# KiCad board USB_panel.kicad_pcb (continued)
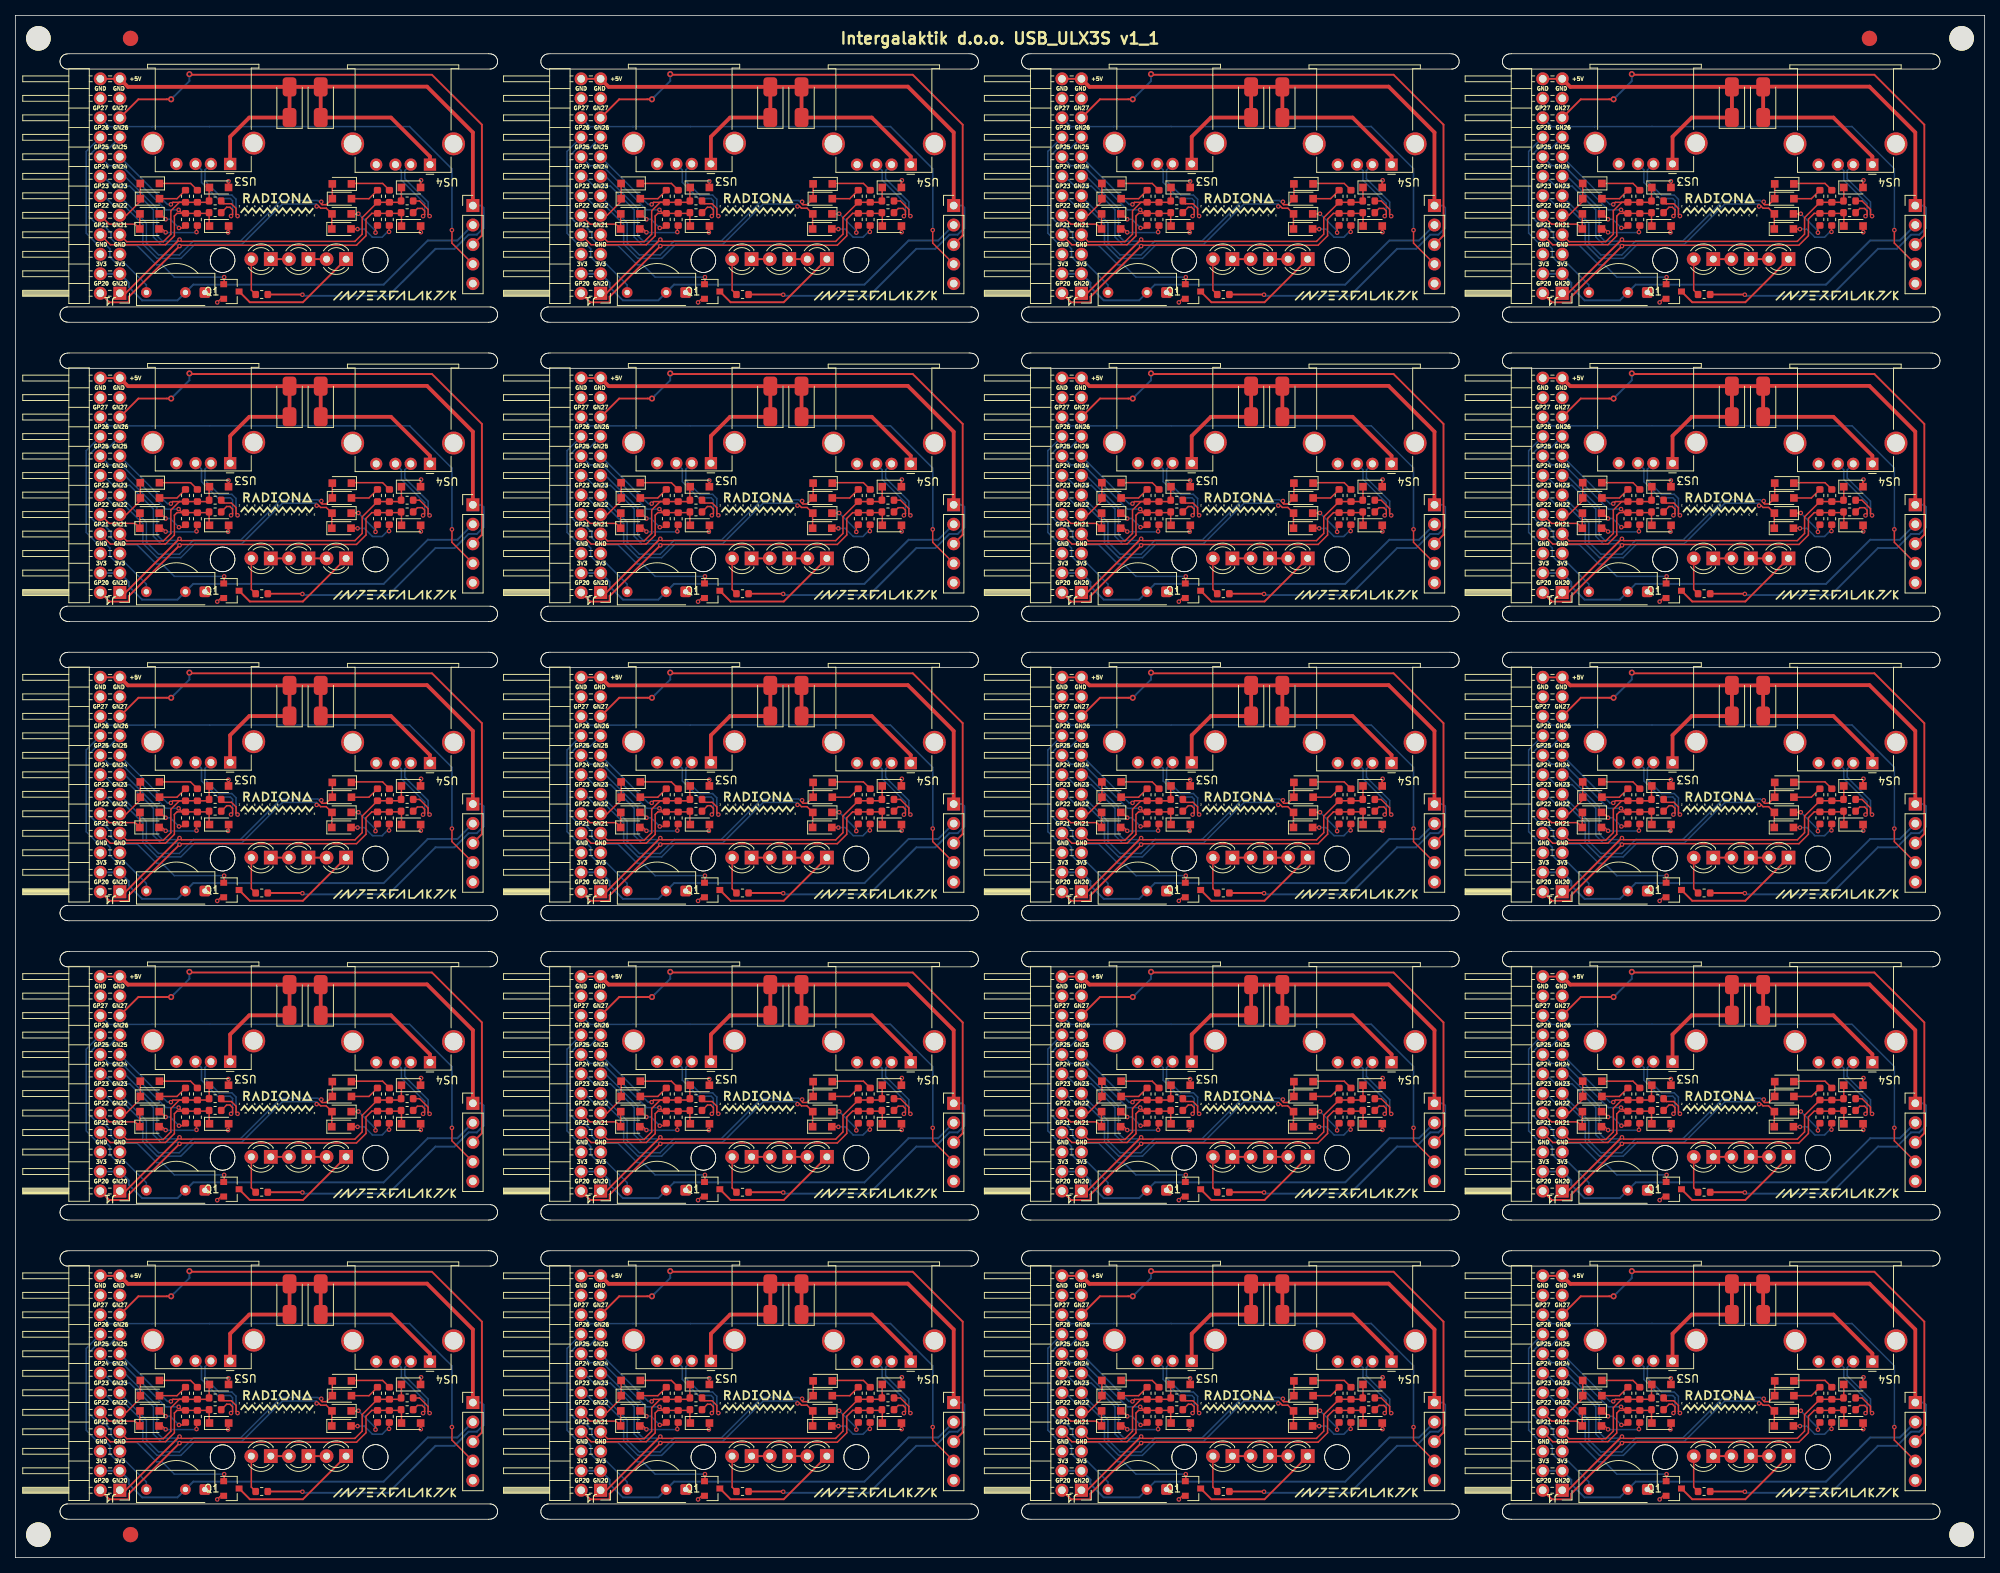
[diagram p0: board, top side]
## Footprints (pads in the part's own frame, mm; a bottom-side part is the same pattern mirrored in y, then rotated) (continued)
USB_A_Stewart_SS-52100-001_Horizontal
  rect 1.6x1.6 hole 0.92: 1(0,0)
  round 1.6 hole 0.92: 2(2.5,0) 3(4.5,0) 4(7,0)
  round 3 hole 2.3: 5(-3.07,-2.71) 5(10.07,-2.71)
Vishay_CAST-3Pin
  rrect 1.4x1.4 hole 0.7: 1(0,0)
  round 1.4 hole 0.7: 2(2.54,0) 3(7.62,0)

## Nets
Board_0-+3V3: J1#8.3 J1#8.4 J2#17.2 U1#6.2
Board_0-+5V: D6#11.1 D6#11.2 D13#20.1 D13#20.2 J1#8.23 J1#8.24 J2#17.1 R13#15.1 US3#14.1 US4#4.1
Board_0-/FPD1+: R6#4.2 US3#14.3
Board_0-/FPD1-: R5#2.2 US3#14.2
Board_0-/FPD2+: R12#17.2 US4#4.3
Board_0-/FPD2-: R11#18.2 US4#4.2
Board_0-GN26: J1#8.17 Q1#2.1
Board_0-GN27: J1#8.19 J2#17.3
Board_0-GND: D5#8.2 D7#19.2 D12#4.2 D14#14.2 J1#8.5 J1#8.6 J1#8.21 J1#8.22 J2#17.5 Q1#2.2 U1#6.1 US3#14.4 US3#14.5 US4#4.4 US4#4.5
Board_0-GP26: J1#8.18 U1#6.3
Board_0-GP27: J1#8.20 J2#17.4
Board_0-Net-(D1-K): D1#15.1 R1#8.1
Board_0-Net-(D2-A): D2#20.2 R2#4.1
Board_0-Net-(D3-K): D3#6.1 R3#3.2
Board_0-Net-(D4-A): D4#15.2 R4#11.1
Board_0-Net-(D8-K): D8#5.1 R7#14.1
Board_0-Net-(D9-A): D9#2.2 R8#5.1
Board_0-Net-(D10-K): D10#17.1 R9#8.2
Board_0-Net-(D11-A): D11#18.2 R10#5.1
Board_0-Net-(D15-A): D15#11.2 R13#15.2
Board_0-Net-(D15-K): D15#11.1 D16#5.2
Board_0-Net-(D16-K): D16#5.1 D17#9.2
Board_0-Net-(D17-K): D17#9.1 Q1#2.3
Board_0-USB1_FPGA_D+: D5#8.1 J1#8.8 J1#8.16 R1#8.2 R2#4.2 R6#4.1
Board_0-USB1_FPGA_D-: D7#19.1 J1#8.7 J1#8.15 R3#3.1 R4#11.2 R5#2.1
Board_0-USB1_FPGA_PULL_D+: D1#15.2 D2#20.1 J1#8.10
Board_0-USB1_FPGA_PULL_D-: D3#6.2 D4#15.1 J1#8.9
Board_0-USB2_FPGA_D+: D12#4.1 J1#8.2 J1#8.14 R7#14.2 R8#5.2 R12#17.1
Board_0-USB2_FPGA_D-: D14#14.1 J1#8.1 J1#8.13 R9#8.1 R10#5.2 R11#18.1
Board_0-USB2_FPGA_PULL_D+: D8#5.2 D9#2.1 J1#8.12
Board_0-USB2_FPGA_PULL_D-: D10#17.2 D11#18.1 J1#8.11
Board_1-+3V3: J1#5.3 J1#5.4 J2#3.2 U1#7.2
Board_1-+5V: D6#13.1 D6#13.2 D13#3.1 D13#3.2 J1#5.23 J1#5.24 J2#3.1 R13#8.1 US3#15.1 US4#13.1
Board_1-/FPD1+: R6#3.2 US3#15.3
Board_1-/FPD1-: R5#19.2 US3#15.2
Board_1-/FPD2+: R12#6.2 US4#13.3
Board_1-/FPD2-: R11#7.2 US4#13.2
Board_1-GN26: J1#5.17 Q1#18.1
Board_1-GN27: J1#5.19 J2#3.3
Board_1-GND: D5#19.2 D7#12.2 D12#3.2 D14#4.2 J1#5.5 J1#5.6 J1#5.21 J1#5.22 J2#3.5 Q1#18.2 U1#7.1 US3#15.4 US3#15.5 US4#13.4 US4#13.5
Board_1-GP26: J1#5.18 U1#7.3
Board_1-GP27: J1#5.20 J2#3.4
Board_1-Net-(D1-K): D1#2.1 R1#7.1
Board_1-Net-(D2-A): D2#7.2 R2#13.1
Board_1-Net-(D3-K): D3#8.1 R3#17.2
Board_1-Net-(D4-A): D4#14.2 R4#4.1
Board_1-Net-(D8-K): D8#2.1 R7#3.1
Board_1-Net-(D9-A): D9#18.2 R8#14.1
Board_1-Net-(D10-K): D10#3.1 R9#18.2
Board_1-Net-(D11-A): D11#9.2 R10#16.1
Board_1-Net-(D15-A): D15#6.2 R13#8.2
Board_1-Net-(D15-K): D15#6.1 D16#7.2
Board_1-Net-(D16-K): D16#7.1 D17#11.2
Board_1-Net-(D17-K): D17#11.1 Q1#18.3
Board_1-USB1_FPGA_D+: D5#19.1 J1#5.8 J1#5.16 R1#7.2 R2#13.2 R6#3.1
Board_1-USB1_FPGA_D-: D7#12.1 J1#5.7 J1#5.15 R3#17.1 R4#4.2 R5#19.1
Board_1-USB1_FPGA_PULL_D+: D1#2.2 D2#7.1 J1#5.10
Board_1-USB1_FPGA_PULL_D-: D3#8.2 D4#14.1 J1#5.9
Board_1-USB2_FPGA_D+: D12#3.1 J1#5.2 J1#5.14 R7#3.2 R8#14.2 R12#6.1
Board_1-USB2_FPGA_D-: D14#4.1 J1#5.1 J1#5.13 R9#18.1 R10#16.2 R11#7.1
Board_1-USB2_FPGA_PULL_D+: D8#2.2 D9#18.1 J1#5.12
Board_1-USB2_FPGA_PULL_D-: D10#3.2 D11#9.1 J1#5.11
Board_2-+3V3: J1#15.3 J1#15.4 J2#14.2 U1#13.2
Board_2-+5V: D6#16.1 D6#16.2 D13#8.1 D13#8.2 J1#15.23 J1#15.24 J2#14.1 R13#20.1 US3#9.1 US4#6.1
Board_2-/FPD1+: R6#19.2 US3#9.3
Board_2-/FPD1-: R5#3.2 US3#9.2
Board_2-/FPD2+: R12#2.2 US4#6.3
Board_2-/FPD2-: R11#12.2 US4#6.2
Board_2-GN26: J1#15.17 Q1#4.1
Board_2-GN27: J1#15.19 J2#14.3
Board_2-GND: D5#5.2 D7#10.2 D12#8.2 D14#2.2 J1#15.5 J1#15.6 J1#15.21 J1#15.22 J2#14.5 Q1#4.2 U1#13.1 US3#9.4 US3#9.5 US4#6.4 US4#6.5
Board_2-GP26: J1#15.18 U1#13.3
Board_2-GP27: J1#15.20 J2#14.4
Board_2-Net-(D1-K): D1#10.1 R1#9.1
Board_2-Net-(D2-A): D2#3.2 R2#7.1
Board_2-Net-(D3-K): D3#11.1 R3#19.2
Board_2-Net-(D4-A): D4#6.2 R4#16.1
Board_2-Net-(D8-K): D8#13.1 R7#4.1
Board_2-Net-(D9-A): D9#14.2 R8#16.1
Board_2-Net-(D10-K): D10#14.1 R9#15.2
Board_2-Net-(D11-A): D11#14.2 R10#3.1
Board_2-Net-(D15-A): D15#8.2 R13#20.2
Board_2-Net-(D15-K): D15#8.1 D16#13.2
Board_2-Net-(D16-K): D16#13.1 D17#19.2
Board_2-Net-(D17-K): D17#19.1 Q1#4.3
Board_2-USB1_FPGA_D+: D5#5.1 J1#15.8 J1#15.16 R1#9.2 R2#7.2 R6#19.1
Board_2-USB1_FPGA_D-: D7#10.1 J1#15.7 J1#15.15 R3#19.1 R4#16.2 R5#3.1
Board_2-USB1_FPGA_PULL_D+: D1#10.2 D2#3.1 J1#15.10
Board_2-USB1_FPGA_PULL_D-: D3#11.2 D4#6.1 J1#15.9
Board_2-USB2_FPGA_D+: D12#8.1 J1#15.2 J1#15.14 R7#4.2 R8#16.2 R12#2.1
Board_2-USB2_FPGA_D-: D14#2.1 J1#15.1 J1#15.13 R9#15.1 R10#3.2 R11#12.1
Board_2-USB2_FPGA_PULL_D+: D8#13.2 D9#14.1 J1#15.12
Board_2-USB2_FPGA_PULL_D-: D10#14.2 D11#14.1 J1#15.11
Board_3-+3V3: J1#20.3 J1#20.4 J2#20.2 U1#19.2
Board_3-+5V: D6.1 D6.2 D13#6.1 D13#6.2 J1#20.23 J1#20.24 J2#20.1 R13#2.1 US3#10.1 US4#12.1
Board_3-/FPD1+: R6#6.2 US3#10.3
Board_3-/FPD1-: R5#15.2 US3#10.2
Board_3-/FPD2+: R12#20.2 US4#12.3
Board_3-/FPD2-: R11#5.2 US4#12.2
Board_3-GN26: J1#20.17 Q1#13.1
Board_3-GN27: J1#20.19 J2#20.3
Board_3-GND: D5#9.2 D7#11.2 D12#14.2 D14#10.2 J1#20.5 J1#20.6 J1#20.21 J1#20.22 J2#20.5 Q1#13.2 U1#19.1 US3#10.4 US3#10.5 US4#12.4 US4#12.5
Board_3-GP26: J1#20.18 U1#19.3
Board_3-GP27: J1#20.20 J2#20.4
Board_3-Net-(D1-K): D1.1 R1#18.1
Board_3-Net-(D2-A): D2.2 R2.1
Board_3-Net-(D3-K): D3#16.1 R3#13.2
Board_3-Net-(D4-A): D4#3.2 R4#5.1
Board_3-Net-(D8-K): D8#17.1 R7#15.1
Board_3-Net-(D9-A): D9#10.2 R8#9.1
Board_3-Net-(D10-K): D10#2.1 R9#10.2
Board_3-Net-(D11-A): D11#7.2 R10.1
Board_3-Net-(D15-A): D15#10.2 R13#2.2
Board_3-Net-(D15-K): D15#10.1 D16#2.2
Board_3-Net-(D16-K): D16#2.1 D17#18.2
Board_3-Net-(D17-K): D17#18.1 Q1#13.3
Board_3-USB1_FPGA_D+: D5#9.1 J1#20.8 J1#20.16 R1#18.2 R2.2 R6#6.1
Board_3-USB1_FPGA_D-: D7#11.1 J1#20.7 J1#20.15 R3#13.1 R4#5.2 R5#15.1
Board_3-USB1_FPGA_PULL_D+: D1.2 D2.1 J1#20.10
Board_3-USB1_FPGA_PULL_D-: D3#16.2 D4#3.1 J1#20.9
Board_3-USB2_FPGA_D+: D12#14.1 J1#20.2 J1#20.14 R7#15.2 R8#9.2 R12#20.1
Board_3-USB2_FPGA_D-: D14#10.1 J1#20.1 J1#20.13 R9#10.1 R10.2 R11#5.1
Board_3-USB2_FPGA_PULL_D+: D8#17.2 D9#10.1 J1#20.12
Board_3-USB2_FPGA_PULL_D-: D10#2.2 D11#7.1 J1#20.11
Board_4-+3V3: J1#12.3 J1#12.4 J2.2 U1#14.2
Board_4-+5V: D6#4.1 D6#4.2 D13#4.1 D13#4.2 J1#12.23 J1#12.24 J2.1 R13#17.1 US3#20.1 US4#16.1
Board_4-/FPD1+: R6#11.2 US3#20.3
Board_4-/FPD1-: R5#14.2 US3#20.2
Board_4-/FPD2+: R12#18.2 US4#16.3
Board_4-/FPD2-: R11#11.2 US4#16.2
Board_4-GN26: J1#12.17 Q1#17.1
Board_4-GN27: J1#12.19 J2.3
Board_4-GND: D5#3.2 D7#2.2 D12.2 D14#11.2 J1#12.5 J1#12.6 J1#12.21 J1#12.22 J2.5 Q1#17.2 U1#14.1 US3#20.4 US3#20.5 US4#16.4 US4#16.5
Board_4-GP26: J1#12.18 U1#14.3
Board_4-GP27: J1#12.20 J2.4
Board_4-Net-(D1-K): D1#12.1 R1#20.1
Board_4-Net-(D2-A): D2#10.2 R2#20.1
Board_4-Net-(D3-K): D3#4.1 R3#15.2
Board_4-Net-(D4-A): D4#9.2 R4#15.1
Board_4-Net-(D8-K): D8#7.1 R7#16.1
Board_4-Net-(D9-A): D9#20.2 R8#20.1
Board_4-Net-(D10-K): D10#15.1 R9#4.2
Board_4-Net-(D11-A): D11.2 R10#2.1
Board_4-Net-(D15-A): D15#5.2 R13#17.2
Board_4-Net-(D15-K): D15#5.1 D16#11.2
Board_4-Net-(D16-K): D16#11.1 D17#17.2
Board_4-Net-(D17-K): D17#17.1 Q1#17.3
Board_4-USB1_FPGA_D+: D5#3.1 J1#12.8 J1#12.16 R1#20.2 R2#20.2 R6#11.1
Board_4-USB1_FPGA_D-: D7#2.1 J1#12.7 J1#12.15 R3#15.1 R4#15.2 R5#14.1
Board_4-USB1_FPGA_PULL_D+: D1#12.2 D2#10.1 J1#12.10
Board_4-USB1_FPGA_PULL_D-: D3#4.2 D4#9.1 J1#12.9
Board_4-USB2_FPGA_D+: D12.1 J1#12.2 J1#12.14 R7#16.2 R8#20.2 R12#18.1
Board_4-USB2_FPGA_D-: D14#11.1 J1#12.1 J1#12.13 R9#4.1 R10#2.2 R11#11.1
Board_4-USB2_FPGA_PULL_D+: D8#7.2 D9#20.1 J1#12.12
Board_4-USB2_FPGA_PULL_D-: D10#15.2 D11.1 J1#12.11
Board_5-+3V3: J1#11.3 J1#11.4 J2#19.2 U1#5.2
Board_5-+5V: D6#12.1 D6#12.2 D13#5.1 D13#5.2 J1#11.23 J1#11.24 J2#19.1 R13#9.1 US3#12.1 US4#3.1
Board_5-/FPD1+: R6#14.2 US3#12.3
Board_5-/FPD1-: R5#7.2 US3#12.2
Board_5-/FPD2+: R12#15.2 US4#3.3
Board_5-/FPD2-: R11#16.2 US4#3.2
Board_5-GN26: J1#11.17 Q1#8.1
Board_5-GN27: J1#11.19 J2#19.3
Board_5-GND: D5#10.2 D7#8.2 D12#19.2 D14#8.2 J1#11.5 J1#11.6 J1#11.21 J1#11.22 J2#19.5 Q1#8.2 U1#5.1 US3#12.4 US3#12.5 US4#3.4 US4#3.5
Board_5-GP26: J1#11.18 U1#5.3
Board_5-GP27: J1#11.20 J2#19.4
Board_5-Net-(D1-K): D1#4.1 R1#4.1
Board_5-Net-(D2-A): D2#16.2 R2#14.1
Board_5-Net-(D3-K): D3#13.1 R3#7.2
Board_5-Net-(D4-A): D4#18.2 R4#17.1
Board_5-Net-(D8-K): D8#20.1 R7#17.1
Board_5-Net-(D9-A): D9#8.2 R8#11.1
Board_5-Net-(D10-K): D10#16.1 R9#2.2
Board_5-Net-(D11-A): D11#11.2 R10#10.1
Board_5-Net-(D15-A): D15#9.2 R13#9.2
Board_5-Net-(D15-K): D15#9.1 D16#8.2
Board_5-Net-(D16-K): D16#8.1 D17#5.2
Board_5-Net-(D17-K): D17#5.1 Q1#8.3
Board_5-USB1_FPGA_D+: D5#10.1 J1#11.8 J1#11.16 R1#4.2 R2#14.2 R6#14.1
Board_5-USB1_FPGA_D-: D7#8.1 J1#11.7 J1#11.15 R3#7.1 R4#17.2 R5#7.1
Board_5-USB1_FPGA_PULL_D+: D1#4.2 D2#16.1 J1#11.10
Board_5-USB1_FPGA_PULL_D-: D3#13.2 D4#18.1 J1#11.9
Board_5-USB2_FPGA_D+: D12#19.1 J1#11.2 J1#11.14 R7#17.2 R8#11.2 R12#15.1
Board_5-USB2_FPGA_D-: D14#8.1 J1#11.1 J1#11.13 R9#2.1 R10#10.2 R11#16.1
Board_5-USB2_FPGA_PULL_D+: D8#20.2 D9#8.1 J1#11.12
Board_5-USB2_FPGA_PULL_D-: D10#16.2 D11#11.1 J1#11.11
Board_6-+3V3: J1#10.3 J1#10.4 J2#6.2 U1#3.2
Board_6-+5V: D6#5.1 D6#5.2 D13#17.1 D13#17.2 J1#10.23 J1#10.24 J2#6.1 R13#10.1 US3#4.1 US4#19.1
Board_6-/FPD1+: R6.2 US3#4.3
Board_6-/FPD1-: R5#8.2 US3#4.2
Board_6-/FPD2+: R12#9.2 US4#19.3
Board_6-/FPD2-: R11#3.2 US4#19.2
Board_6-GN26: J1#10.17 Q1.1
Board_6-GN27: J1#10.19 J2#6.3
Board_6-GND: D5#7.2 D7#6.2 D12#17.2 D14#7.2 J1#10.5 J1#10.6 J1#10.21 J1#10.22 J2#6.5 Q1.2 U1#3.1 US3#4.4 US3#4.5 US4#19.4 US4#19.5
Board_6-GP26: J1#10.18 U1#3.3
Board_6-GP27: J1#10.20 J2#6.4
Board_6-Net-(D1-K): D1#13.1 R1#10.1
Board_6-Net-(D2-A): D2#14.2 R2#11.1
Board_6-Net-(D3-K): D3#3.1 R3#14.2
Board_6-Net-(D4-A): D4#12.2 R4#7.1
Board_6-Net-(D8-K): D8#19.1 R7#20.1
Board_6-Net-(D9-A): D9.2 R8#7.1
Board_6-Net-(D10-K): D10#13.1 R9#6.2
Board_6-Net-(D11-A): D11#13.2 R10#15.1
Board_6-Net-(D15-A): D15#16.2 R13#10.2
Board_6-Net-(D15-K): D15#16.1 D16#3.2
Board_6-Net-(D16-K): D16#3.1 D17#16.2
Board_6-Net-(D17-K): D17#16.1 Q1.3
Board_6-USB1_FPGA_D+: D5#7.1 J1#10.8 J1#10.16 R1#10.2 R2#11.2 R6.1
Board_6-USB1_FPGA_D-: D7#6.1 J1#10.7 J1#10.15 R3#14.1 R4#7.2 R5#8.1
Board_6-USB1_FPGA_PULL_D+: D1#13.2 D2#14.1 J1#10.10
Board_6-USB1_FPGA_PULL_D-: D3#3.2 D4#12.1 J1#10.9
Board_6-USB2_FPGA_D+: D12#17.1 J1#10.2 J1#10.14 R7#20.2 R8#7.2 R12#9.1
Board_6-USB2_FPGA_D-: D14#7.1 J1#10.1 J1#10.13 R9#6.1 R10#15.2 R11#3.1
Board_6-USB2_FPGA_PULL_D+: D8#19.2 D9.1 J1#10.12
Board_6-USB2_FPGA_PULL_D-: D10#13.2 D11#13.1 J1#10.11
Board_7-+3V3: J1.3 J1.4 J2#8.2 U1.2
Board_7-+5V: D6#15.1 D6#15.2 D13#18.1 D13#18.2 J1.23 J1.24 J2#8.1 R13#18.1 US3#18.1 US4#11.1
Board_7-/FPD1+: R6#17.2 US3#18.3
Board_7-/FPD1-: R5#12.2 US3#18.2
Board_7-/FPD2+: R12#5.2 US4#11.3
Board_7-/FPD2-: R11#6.2 US4#11.2
Board_7-GN26: J1.17 Q1#5.1
Board_7-GN27: J1.19 J2#8.3
Board_7-GND: D5#4.2 D7#17.2 D12#7.2 D14#15.2 J1.5 J1.6 J1.21 J1.22 J2#8.5 Q1#5.2 U1.1 US3#18.4 US3#18.5 US4#11.4 US4#11.5
Board_7-GP26: J1.18 U1.3
Board_7-GP27: J1.20 J2#8.4
Board_7-Net-(D1-K): D1#3.1 R1#15.1
Board_7-Net-(D2-A): D2#19.2 R2#18.1
Board_7-Net-(D3-K): D3#7.1 R3#2.2
Board_7-Net-(D4-A): D4#5.2 R4#2.1
Board_7-Net-(D8-K): D8#8.1 R7#11.1
Board_7-Net-(D9-A): D9#13.2 R8#13.1
Board_7-Net-(D10-K): D10#7.1 R9#16.2
Board_7-Net-(D11-A): D11#5.2 R10#4.1
Board_7-Net-(D15-A): D15#18.2 R13#18.2
Board_7-Net-(D15-K): D15#18.1 D16#16.2
Board_7-Net-(D16-K): D16#16.1 D17.2
Board_7-Net-(D17-K): D17.1 Q1#5.3
Board_7-USB1_FPGA_D+: D5#4.1 J1.8 J1.16 R1#15.2 R2#18.2 R6#17.1
Board_7-USB1_FPGA_D-: D7#17.1 J1.7 J1.15 R3#2.1 R4#2.2 R5#12.1
Board_7-USB1_FPGA_PULL_D+: D1#3.2 D2#19.1 J1.10
Board_7-USB1_FPGA_PULL_D-: D3#7.2 D4#5.1 J1.9
Board_7-USB2_FPGA_D+: D12#7.1 J1.2 J1.14 R7#11.2 R8#13.2 R12#5.1
Board_7-USB2_FPGA_D-: D14#15.1 J1.1 J1.13 R9#16.1 R10#4.2 R11#6.1
Board_7-USB2_FPGA_PULL_D+: D8#8.2 D9#13.1 J1.12
Board_7-USB2_FPGA_PULL_D-: D10#7.2 D11#5.1 J1.11
Board_8-+3V3: J1#17.3 J1#17.4 J2#5.2 U1#12.2
Board_8-+5V: D6#2.1 D6#2.2 D13#16.1 D13#16.2 J1#17.23 J1#17.24 J2#5.1 R13#5.1 US3#13.1 US4#10.1
Board_8-/FPD1+: R6#12.2 US3#13.3
Board_8-/FPD1-: R5#10.2 US3#13.2
Board_8-/FPD2+: R12#14.2 US4#10.3
Board_8-/FPD2-: R11#4.2 US4#10.2
Board_8-GN26: J1#17.17 Q1#6.1
Board_8-GN27: J1#17.19 J2#5.3
Board_8-GND: D5.2 D7#14.2 D12#9.2 D14#6.2 J1#17.5 J1#17.6 J1#17.21 J1#17.22 J2#5.5 Q1#6.2 U1#12.1 US3#13.4 US3#13.5 US4#10.4 US4#10.5
Board_8-GP26: J1#17.18 U1#12.3
Board_8-GP27: J1#17.20 J2#5.4
Board_8-Net-(D1-K): D1#17.1 R1#5.1
Board_8-Net-(D2-A): D2#12.2 R2#16.1
Board_8-Net-(D3-K): D3.1 R3.2
Board_8-Net-(D4-A): D4#13.2 R4#14.1
Board_8-Net-(D8-K): D8#4.1 R7#9.1
Board_8-Net-(D9-A): D9#3.2 R8#19.1
Board_8-Net-(D10-K): D10#5.1 R9#14.2
Board_8-Net-(D11-A): D11#4.2 R10#17.1
Board_8-Net-(D15-A): D15#17.2 R13#5.2
Board_8-Net-(D15-K): D15#17.1 D16#12.2
Board_8-Net-(D16-K): D16#12.1 D17#14.2
Board_8-Net-(D17-K): D17#14.1 Q1#6.3
Board_8-USB1_FPGA_D+: D5.1 J1#17.8 J1#17.16 R1#5.2 R2#16.2 R6#12.1
Board_8-USB1_FPGA_D-: D7#14.1 J1#17.7 J1#17.15 R3.1 R4#14.2 R5#10.1
Board_8-USB1_FPGA_PULL_D+: D1#17.2 D2#12.1 J1#17.10
Board_8-USB1_FPGA_PULL_D-: D3.2 D4#13.1 J1#17.9
Board_8-USB2_FPGA_D+: D12#9.1 J1#17.2 J1#17.14 R7#9.2 R8#19.2 R12#14.1
Board_8-USB2_FPGA_D-: D14#6.1 J1#17.1 J1#17.13 R9#14.1 R10#17.2 R11#4.1
Board_8-USB2_FPGA_PULL_D+: D8#4.2 D9#3.1 J1#17.12
Board_8-USB2_FPGA_PULL_D-: D10#5.2 D11#4.1 J1#17.11
Board_9-+3V3: J1#9.3 J1#9.4 J2#12.2 U1#4.2
Board_9-+5V: D6#18.1 D6#18.2 D13.1 D13.2 J1#9.23 J1#9.24 J2#12.1 R13#6.1 US3#5.1 US4#5.1
Board_9-/FPD1+: R6#18.2 US3#5.3
Board_9-/FPD1-: R5#6.2 US3#5.2
Board_9-/FPD2+: R12#10.2 US4#5.3
Board_9-/FPD2-: R11#17.2 US4#5.2
Board_9-GN26: J1#9.17 Q1#16.1
Board_9-GN27: J1#9.19 J2#12.3
Board_9-GND: D5#11.2 D7#7.2 D12#13.2 D14#3.2 J1#9.5 J1#9.6 J1#9.21 J1#9.22 J2#12.5 Q1#16.2 U1#4.1 US3#5.4 US3#5.5 US4#5.4 US4#5.5
Board_9-GP26: J1#9.18 U1#4.3
Board_9-GP27: J1#9.20 J2#12.4
Board_9-Net-(D1-K): D1#5.1 R1#12.1
Board_9-Net-(D2-A): D2#17.2 R2#15.1
Board_9-Net-(D3-K): D3#18.1 R3#18.2
Board_9-Net-(D4-A): D4#16.2 R4#9.1
Board_9-Net-(D8-K): D8#14.1 R7#5.1
Board_9-Net-(D9-A): D9#9.2 R8#2.1
Board_9-Net-(D10-K): D10#10.1 R9#19.2
Board_9-Net-(D11-A): D11#19.2 R10#9.1
Board_9-Net-(D15-A): D15#13.2 R13#6.2
Board_9-Net-(D15-K): D15#13.1 D16#18.2
Board_9-Net-(D16-K): D16#18.1 D17#10.2
Board_9-Net-(D17-K): D17#10.1 Q1#16.3
Board_9-USB1_FPGA_D+: D5#11.1 J1#9.8 J1#9.16 R1#12.2 R2#15.2 R6#18.1
Board_9-USB1_FPGA_D-: D7#7.1 J1#9.7 J1#9.15 R3#18.1 R4#9.2 R5#6.1
Board_9-USB1_FPGA_PULL_D+: D1#5.2 D2#17.1 J1#9.10
Board_9-USB1_FPGA_PULL_D-: D3#18.2 D4#16.1 J1#9.9
Board_9-USB2_FPGA_D+: D12#13.1 J1#9.2 J1#9.14 R7#5.2 R8#2.2 R12#10.1
Board_9-USB2_FPGA_D-: D14#3.1 J1#9.1 J1#9.13 R9#19.1 R10#9.2 R11#17.1
Board_9-USB2_FPGA_PULL_D+: D8#14.2 D9#9.1 J1#9.12
Board_9-USB2_FPGA_PULL_D-: D10#10.2 D11#19.1 J1#9.11
Board_10-+3V3: J1#14.3 J1#14.4 J2#2.2 U1#18.2
Board_10-+5V: D6#17.1 D6#17.2 D13#10.1 D13#10.2 J1#14.23 J1#14.24 J2#2.1 R13#13.1 US3#8.1 US4#20.1
Board_10-/FPD1+: R6#16.2 US3#8.3
Board_10-/FPD1-: R5.2 US3#8.2
Board_10-/FPD2+: R12#19.2 US4#20.3
Board_10-/FPD2-: R11#13.2 US4#20.2
Board_10-GN26: J1#14.17 Q1#7.1
Board_10-GN27: J1#14.19 J2#2.3
Board_10-GND: D5#13.2 D7#9.2 D12#12.2 D14#9.2 J1#14.5 J1#14.6 J1#14.21 J1#14.22 J2#2.5 Q1#7.2 U1#18.1 US3#8.4 US3#8.5 US4#20.4 US4#20.5
Board_10-GP26: J1#14.18 U1#18.3
Board_10-GP27: J1#14.20 J2#2.4
Board_10-Net-(D1-K): D1#6.1 R1#3.1
Board_10-Net-(D2-A): D2#2.2 R2#8.1
Board_10-Net-(D3-K): D3#9.1 R3#9.2
Board_10-Net-(D4-A): D4#10.2 R4#3.1
Board_10-Net-(D8-K): D8#6.1 R7#12.1
Board_10-Net-(D9-A): D9#5.2 R8#8.1
Board_10-Net-(D10-K): D10#20.1 R9#13.2
Board_10-Net-(D11-A): D11#16.2 R10#6.1
Board_10-Net-(D15-A): D15#14.2 R13#13.2
Board_10-Net-(D15-K): D15#14.1 D16#9.2
Board_10-Net-(D16-K): D16#9.1 D17#6.2
Board_10-Net-(D17-K): D17#6.1 Q1#7.3
Board_10-USB1_FPGA_D+: D5#13.1 J1#14.8 J1#14.16 R1#3.2 R2#8.2 R6#16.1
Board_10-USB1_FPGA_D-: D7#9.1 J1#14.7 J1#14.15 R3#9.1 R4#3.2 R5.1
Board_10-USB1_FPGA_PULL_D+: D1#6.2 D2#2.1 J1#14.10
Board_10-USB1_FPGA_PULL_D-: D3#9.2 D4#10.1 J1#14.9
Board_10-USB2_FPGA_D+: D12#12.1 J1#14.2 J1#14.14 R7#12.2 R8#8.2 R12#19.1
Board_10-USB2_FPGA_D-: D14#9.1 J1#14.1 J1#14.13 R9#13.1 R10#6.2 R11#13.1
Board_10-USB2_FPGA_PULL_D+: D8#6.2 D9#5.1 J1#14.12
Board_10-USB2_FPGA_PULL_D-: D10#20.2 D11#16.1 J1#14.11
Board_11-+3V3: J1#4.3 J1#4.4 J2#11.2 U1#8.2
Board_11-+5V: D6#19.1 D6#19.2 D13#2.1 D13#2.2 J1#4.23 J1#4.24 J2#11.1 R13#11.1 US3#19.1 US4#8.1
Board_11-/FPD1+: R6#2.2 US3#19.3
Board_11-/FPD1-: R5#13.2 US3#19.2
Board_11-/FPD2+: R12#11.2 US4#8.3
Board_11-/FPD2-: R11#14.2 US4#8.2
Board_11-GN26: J1#4.17 Q1#15.1
Board_11-GN27: J1#4.19 J2#11.3
Board_11-GND: D5#14.2 D7#3.2 D12#20.2 D14#19.2 J1#4.5 J1#4.6 J1#4.21 J1#4.22 J2#11.5 Q1#15.2 U1#8.1 US3#19.4 US3#19.5 US4#8.4 US4#8.5
Board_11-GP26: J1#4.18 U1#8.3
Board_11-GP27: J1#4.20 J2#11.4
Board_11-Net-(D1-K): D1#16.1 R1#6.1
Board_11-Net-(D2-A): D2#4.2 R2#19.1
Board_11-Net-(D3-K): D3#14.1 R3#20.2
Board_11-Net-(D4-A): D4#11.2 R4#20.1
Board_11-Net-(D8-K): D8#10.1 R7#7.1
Board_11-Net-(D9-A): D9#16.2 R8#6.1
Board_11-Net-(D10-K): D10#4.1 R9#7.2
Board_11-Net-(D11-A): D11#17.2 R10#7.1
Board_11-Net-(D15-A): D15#20.2 R13#11.2
Board_11-Net-(D15-K): D15#20.1 D16#6.2
Board_11-Net-(D16-K): D16#6.1 D17#12.2
Board_11-Net-(D17-K): D17#12.1 Q1#15.3
Board_11-USB1_FPGA_D+: D5#14.1 J1#4.8 J1#4.16 R1#6.2 R2#19.2 R6#2.1
Board_11-USB1_FPGA_D-: D7#3.1 J1#4.7 J1#4.15 R3#20.1 R4#20.2 R5#13.1
Board_11-USB1_FPGA_PULL_D+: D1#16.2 D2#4.1 J1#4.10
Board_11-USB1_FPGA_PULL_D-: D3#14.2 D4#11.1 J1#4.9
Board_11-USB2_FPGA_D+: D12#20.1 J1#4.2 J1#4.14 R7#7.2 R8#6.2 R12#11.1
Board_11-USB2_FPGA_D-: D14#19.1 J1#4.1 J1#4.13 R9#7.1 R10#7.2 R11#14.1
Board_11-USB2_FPGA_PULL_D+: D8#10.2 D9#16.1 J1#4.12
Board_11-USB2_FPGA_PULL_D-: D10#4.2 D11#17.1 J1#4.11
Board_12-+3V3: J1#2.3 J1#2.4 J2#13.2 U1#9.2
Board_12-+5V: D6#20.1 D6#20.2 D13#12.1 D13#12.2 J1#2.23 J1#2.24 J2#13.1 R13#12.1 US3#16.1 US4#14.1
Board_12-/FPD1+: R6#20.2 US3#16.3
Board_12-/FPD1-: R5#20.2 US3#16.2
Board_12-/FPD2+: R12#3.2 US4#14.3
Board_12-/FPD2-: R11#2.2 US4#14.2
Board_12-GN26: J1#2.17 Q1#11.1
Board_12-GN27: J1#2.19 J2#13.3
Board_12-GND: D5#18.2 D7#15.2 D12#5.2 D14#16.2 J1#2.5 J1#2.6 J1#2.21 J1#2.22 J2#13.5 Q1#11.2 U1#9.1 US3#16.4 US3#16.5 US4#14.4 US4#14.5
Board_12-GP26: J1#2.18 U1#9.3
Board_12-GP27: J1#2.20 J2#13.4
Board_12-Net-(D1-K): D1#14.1 R1#14.1
Board_12-Net-(D2-A): D2#13.2 R2#5.1
Board_12-Net-(D3-K): D3#19.1 R3#8.2
Board_12-Net-(D4-A): D4#4.2 R4#18.1
Board_12-Net-(D8-K): D8#16.1 R7#18.1
Board_12-Net-(D9-A): D9#11.2 R8#12.1
Board_12-Net-(D10-K): D10#8.1 R9#11.2
Board_12-Net-(D11-A): D11#20.2 R10#19.1
Board_12-Net-(D15-A): D15#3.2 R13#12.2
Board_12-Net-(D15-K): D15#3.1 D16#14.2
Board_12-Net-(D16-K): D16#14.1 D17#7.2
Board_12-Net-(D17-K): D17#7.1 Q1#11.3
Board_12-USB1_FPGA_D+: D5#18.1 J1#2.8 J1#2.16 R1#14.2 R2#5.2 R6#20.1
Board_12-USB1_FPGA_D-: D7#15.1 J1#2.7 J1#2.15 R3#8.1 R4#18.2 R5#20.1
Board_12-USB1_FPGA_PULL_D+: D1#14.2 D2#13.1 J1#2.10
Board_12-USB1_FPGA_PULL_D-: D3#19.2 D4#4.1 J1#2.9
Board_12-USB2_FPGA_D+: D12#5.1 J1#2.2 J1#2.14 R7#18.2 R8#12.2 R12#3.1
Board_12-USB2_FPGA_D-: D14#16.1 J1#2.1 J1#2.13 R9#11.1 R10#19.2 R11#2.1
Board_12-USB2_FPGA_PULL_D+: D8#16.2 D9#11.1 J1#2.12
Board_12-USB2_FPGA_PULL_D-: D10#8.2 D11#20.1 J1#2.11
Board_13-+3V3: J1#6.3 J1#6.4 J2#9.2 U1#15.2
Board_13-+5V: D6#3.1 D6#3.2 D13#14.1 D13#14.2 J1#6.23 J1#6.24 J2#9.1 R13#19.1 US3#2.1 US4#9.1
Board_13-/FPD1+: R6#15.2 US3#2.3
Board_13-/FPD1-: R5#16.2 US3#2.2
Board_13-/FPD2+: R12#16.2 US4#9.3
Board_13-/FPD2-: R11#19.2 US4#9.2
Board_13-GN26: J1#6.17 Q1#10.1
Board_13-GN27: J1#6.19 J2#9.3
Board_13-GND: D5#6.2 D7#20.2 D12#15.2 D14#5.2 J1#6.5 J1#6.6 J1#6.21 J1#6.22 J2#9.5 Q1#10.2 U1#15.1 US3#2.4 US3#2.5 US4#9.4 US4#9.5
Board_13-GP26: J1#6.18 U1#15.3
Board_13-GP27: J1#6.20 J2#9.4
Board_13-Net-(D1-K): D1#19.1 R1#2.1
Board_13-Net-(D2-A): D2#6.2 R2#17.1
Board_13-Net-(D3-K): D3#5.1 R3#11.2
Board_13-Net-(D4-A): D4#20.2 R4.1
Board_13-Net-(D8-K): D8.1 R7#10.1
Board_13-Net-(D9-A): D9#4.2 R8#17.1
Board_13-Net-(D10-K): D10#18.1 R9#20.2
Board_13-Net-(D11-A): D11#2.2 R10#8.1
Board_13-Net-(D15-A): D15#19.2 R13#19.2
Board_13-Net-(D15-K): D15#19.1 D16#17.2
Board_13-Net-(D16-K): D16#17.1 D17#2.2
Board_13-Net-(D17-K): D17#2.1 Q1#10.3
Board_13-USB1_FPGA_D+: D5#6.1 J1#6.8 J1#6.16 R1#2.2 R2#17.2 R6#15.1
Board_13-USB1_FPGA_D-: D7#20.1 J1#6.7 J1#6.15 R3#11.1 R4.2 R5#16.1
Board_13-USB1_FPGA_PULL_D+: D1#19.2 D2#6.1 J1#6.10
Board_13-USB1_FPGA_PULL_D-: D3#5.2 D4#20.1 J1#6.9
Board_13-USB2_FPGA_D+: D12#15.1 J1#6.2 J1#6.14 R7#10.2 R8#17.2 R12#16.1
Board_13-USB2_FPGA_D-: D14#5.1 J1#6.1 J1#6.13 R9#20.1 R10#8.2 R11#19.1
Board_13-USB2_FPGA_PULL_D+: D8.2 D9#4.1 J1#6.12
Board_13-USB2_FPGA_PULL_D-: D10#18.2 D11#2.1 J1#6.11
Board_14-+3V3: J1#13.3 J1#13.4 J2#15.2 U1#2.2
Board_14-+5V: D6#14.1 D6#14.2 D13#15.1 D13#15.2 J1#13.23 J1#13.24 J2#15.1 R13#4.1 US3#3.1 US4.1
Board_14-/FPD1+: R6#8.2 US3#3.3
Board_14-/FPD1-: R5#18.2 US3#3.2
Board_14-/FPD2+: R12#13.2 US4.3
Board_14-/FPD2-: R11#10.2 US4.2
Board_14-GN26: J1#13.17 Q1#14.1
Board_14-GN27: J1#13.19 J2#15.3
Board_14-GND: D5#2.2 D7#4.2 D12#10.2 D14.2 J1#13.5 J1#13.6 J1#13.21 J1#13.22 J2#15.5 Q1#14.2 U1#2.1 US3#3.4 US3#3.5 US4.4 US4.5
Board_14-GP26: J1#13.18 U1#2.3
Board_14-GP27: J1#13.20 J2#15.4
Board_14-Net-(D1-K): D1#20.1 R1#19.1
Board_14-Net-(D2-A): D2#9.2 R2#10.1
Board_14-Net-(D3-K): D3#15.1 R3#5.2
Board_14-Net-(D4-A): D4#17.2 R4#19.1
Board_14-Net-(D8-K): D8#12.1 R7#2.1
Board_14-Net-(D9-A): D9#19.2 R8#4.1
Board_14-Net-(D10-K): D10#9.1 R9.2
Board_14-Net-(D11-A): D11#6.2 R10#18.1
Board_14-Net-(D15-A): D15#12.2 R13#4.2
Board_14-Net-(D15-K): D15#12.1 D16.2
Board_14-Net-(D16-K): D16.1 D17#15.2
Board_14-Net-(D17-K): D17#15.1 Q1#14.3
Board_14-USB1_FPGA_D+: D5#2.1 J1#13.8 J1#13.16 R1#19.2 R2#10.2 R6#8.1
Board_14-USB1_FPGA_D-: D7#4.1 J1#13.7 J1#13.15 R3#5.1 R4#19.2 R5#18.1
Board_14-USB1_FPGA_PULL_D+: D1#20.2 D2#9.1 J1#13.10
Board_14-USB1_FPGA_PULL_D-: D3#15.2 D4#17.1 J1#13.9
Board_14-USB2_FPGA_D+: D12#10.1 J1#13.2 J1#13.14 R7#2.2 R8#4.2 R12#13.1
Board_14-USB2_FPGA_D-: D14.1 J1#13.1 J1#13.13 R9.1 R10#18.2 R11#10.1
Board_14-USB2_FPGA_PULL_D+: D8#12.2 D9#19.1 J1#13.12
Board_14-USB2_FPGA_PULL_D-: D10#9.2 D11#6.1 J1#13.11
Board_15-+3V3: J1#19.3 J1#19.4 J2#10.2 U1#17.2
Board_15-+5V: D6#7.1 D6#7.2 D13#13.1 D13#13.2 J1#19.23 J1#19.24 J2#10.1 R13#16.1 US3#7.1 US4#2.1
Board_15-/FPD1+: R6#13.2 US3#7.3
Board_15-/FPD1-: R5#9.2 US3#7.2
Board_15-/FPD2+: R12#12.2 US4#2.3
Board_15-/FPD2-: R11#8.2 US4#2.2
Board_15-GN26: J1#19.17 Q1#12.1
Board_15-GN27: J1#19.19 J2#10.3
Board_15-GND: D5#15.2 D7#13.2 D12#2.2 D14#18.2 J1#19.5 J1#19.6 J1#19.21 J1#19.22 J2#10.5 Q1#12.2 U1#17.1 US3#7.4 US3#7.5 US4#2.4 US4#2.5
Board_15-GP26: J1#19.18 U1#17.3
Board_15-GP27: J1#19.20 J2#10.4
Board_15-Net-(D1-K): D1#8.1 R1.1
Board_15-Net-(D2-A): D2#18.2 R2#3.1
Board_15-Net-(D3-K): D3#12.1 R3#12.2
Board_15-Net-(D4-A): D4#2.2 R4#6.1
Board_15-Net-(D8-K): D8#15.1 R7.1
Board_15-Net-(D9-A): D9#17.2 R8.1
Board_15-Net-(D10-K): D10#11.1 R9#9.2
Board_15-Net-(D11-A): D11#15.2 R10#12.1
Board_15-Net-(D15-A): D15#2.2 R13#16.2
Board_15-Net-(D15-K): D15#2.1 D16#4.2
Board_15-Net-(D16-K): D16#4.1 D17#20.2
Board_15-Net-(D17-K): D17#20.1 Q1#12.3
Board_15-USB1_FPGA_D+: D5#15.1 J1#19.8 J1#19.16 R1.2 R2#3.2 R6#13.1
Board_15-USB1_FPGA_D-: D7#13.1 J1#19.7 J1#19.15 R3#12.1 R4#6.2 R5#9.1
Board_15-USB1_FPGA_PULL_D+: D1#8.2 D2#18.1 J1#19.10
Board_15-USB1_FPGA_PULL_D-: D3#12.2 D4#2.1 J1#19.9
Board_15-USB2_FPGA_D+: D12#2.1 J1#19.2 J1#19.14 R7.2 R8.2 R12#12.1
Board_15-USB2_FPGA_D-: D14#18.1 J1#19.1 J1#19.13 R9#9.1 R10#12.2 R11#8.1
Board_15-USB2_FPGA_PULL_D+: D8#15.2 D9#17.1 J1#19.12
Board_15-USB2_FPGA_PULL_D-: D10#11.2 D11#15.1 J1#19.11
Board_16-+3V3: J1#18.3 J1#18.4 J2#16.2 U1#11.2
Board_16-+5V: D6#9.1 D6#9.2 D13#19.1 D13#19.2 J1#18.23 J1#18.24 J2#16.1 R13#3.1 US3#6.1 US4#7.1
Board_16-/FPD1+: R6#7.2 US3#6.3
Board_16-/FPD1-: R5#4.2 US3#6.2
Board_16-/FPD2+: R12#8.2 US4#7.3
Board_16-/FPD2-: R11#9.2 US4#7.2
Board_16-GN26: J1#18.17 Q1#19.1
Board_16-GN27: J1#18.19 J2#16.3
Board_16-GND: D5#17.2 D7#16.2 D12#11.2 D14#12.2 J1#18.5 J1#18.6 J1#18.21 J1#18.22 J2#16.5 Q1#19.2 U1#11.1 US3#6.4 US3#6.5 US4#7.4 US4#7.5
Board_16-GP26: J1#18.18 U1#11.3
Board_16-GP27: J1#18.20 J2#16.4
Board_16-Net-(D1-K): D1#11.1 R1#16.1
Board_16-Net-(D2-A): D2#11.2 R2#6.1
Board_16-Net-(D3-K): D3#2.1 R3#6.2
Board_16-Net-(D4-A): D4#19.2 R4#10.1
Board_16-Net-(D8-K): D8#18.1 R7#6.1
Board_16-Net-(D9-A): D9#6.2 R8#18.1
Board_16-Net-(D10-K): D10#12.1 R9#17.2
Board_16-Net-(D11-A): D11#12.2 R10#14.1
Board_16-Net-(D15-A): D15.2 R13#3.2
Board_16-Net-(D15-K): D15.1 D16#15.2
Board_16-Net-(D16-K): D16#15.1 D17#13.2
Board_16-Net-(D17-K): D17#13.1 Q1#19.3
Board_16-USB1_FPGA_D+: D5#17.1 J1#18.8 J1#18.16 R1#16.2 R2#6.2 R6#7.1
Board_16-USB1_FPGA_D-: D7#16.1 J1#18.7 J1#18.15 R3#6.1 R4#10.2 R5#4.1
Board_16-USB1_FPGA_PULL_D+: D1#11.2 D2#11.1 J1#18.10
Board_16-USB1_FPGA_PULL_D-: D3#2.2 D4#19.1 J1#18.9
Board_16-USB2_FPGA_D+: D12#11.1 J1#18.2 J1#18.14 R7#6.2 R8#18.2 R12#8.1
Board_16-USB2_FPGA_D-: D14#12.1 J1#18.1 J1#18.13 R9#17.1 R10#14.2 R11#9.1
Board_16-USB2_FPGA_PULL_D+: D8#18.2 D9#6.1 J1#18.12
Board_16-USB2_FPGA_PULL_D-: D10#12.2 D11#12.1 J1#18.11
Board_17-+3V3: J1#3.3 J1#3.4 J2#18.2 U1#20.2
Board_17-+5V: D6#10.1 D6#10.2 D13#7.1 D13#7.2 J1#3.23 J1#3.24 J2#18.1 R13#7.1 US3#17.1 US4#18.1